# KiCad board main-board-rev1.kicad_pcb (continued)
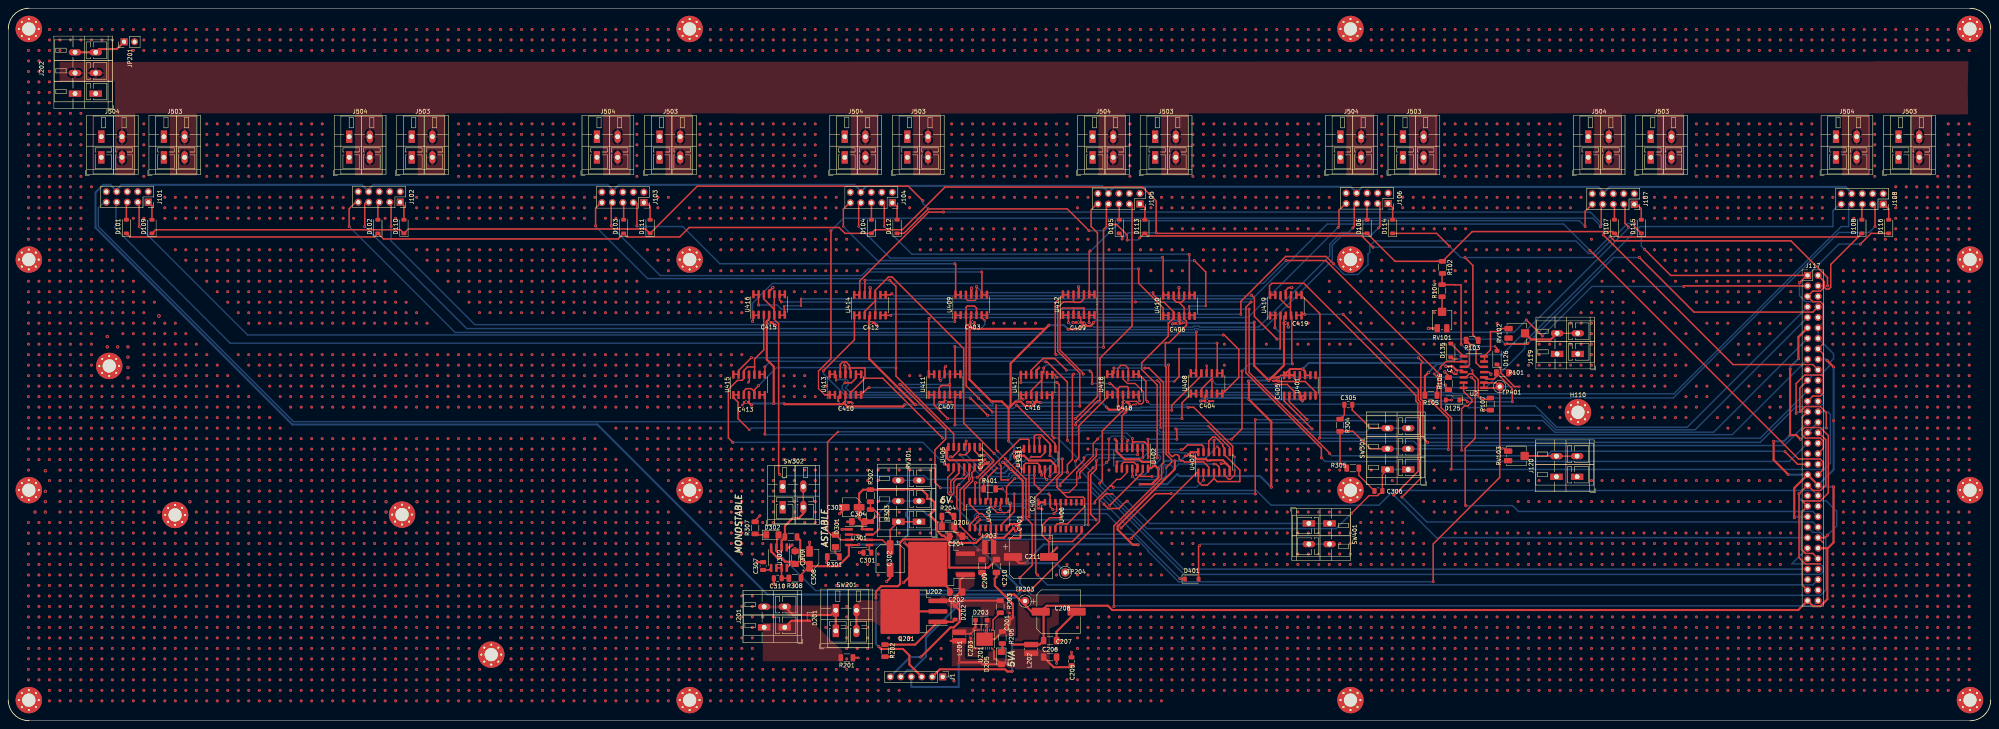
[diagram p0: board, top side]
## Routing (per net, layer and track width the routed paths; a pad name or vN(x,y) marks a point on that pad's centre or on a via; arc(x,y) is an arc through that point) (continued)
  Bottom w0.5: v4(262.74,96.45) 263.21,96.93 284.09,96.93 v3(284.58,96.43) 284.71,96.3 301.44,96.3 v4(301.66,96.53) ; v4(265.86,75.98) 264.81,77.03 v4(249.89,77.03) ; v3(245.64,53.33) 249.2,53.33 v3(249.4,53.53) ; v4(300.24,82.2) 300.42,82.38 v4(305.21,82.38) ; v4(180.01,76.48) 180.34,76.8 v4(185.34,76.8) v4(187.81,76.8) ; v4(273.57,42.58) 273.45,42.7 250.69,42.7 v3(246.14,38.15) 253.69,38.15 TP204.1 ; 242.71,60.9 242.11,60.9 241.19,59.98 239.16,59.98 237.4,61.74 v3(237.4,62.6) ; v4(210.08,29.71) 210.08,18.62 v4(210.74,17.96) ; v4(278.46,60.98) 278.46,61.27 280.12,62.93 v4(282.46,62.93) 283.79,62.93 v4(284.98,64.11) ; v4(238.01,77.33) 238.39,76.95 238.39,76.3 226.36,76.3 225.56,77.1 v4(225.54,77.1) 224.94,76.5 v4(219.66,76.5) v4(217.06,76.5) ; v4(305.81,56.53) 303.11,59.23 283.58,59.23 283.08,59.73 280.63,57.28 v4(274.04,57.28) ; v2(240.81,62.57) 240.83,62.55 241.79,62.55 242.66,63.43 242.66,64.33 243.51,65.18 243.54,65.18 ; 347.53,86.38 347.28,86.63 314.88,86.63 v2(313.41,85.15) ; 347.53,86.38 345.93,86.38 v2(343.88,84.33) ; 347.53,86.38 v2(348.08,85.83) ; v4(242.21,67.71) 243.56,66.36 v3(243.56,65.15) ; v4(313.34,77.43) 312.96,77.8 v4(300.39,77.8) 300.01,78.18 289.41,78.18 v4(288.66,77.43) ; v4(223.08,49.8) 222.58,49.8 221.5,50.88 217.9,50.88 217.37,50.36 217.37,49.61 217.9,49.08 217.9,45.11 215.44,42.65 v4(205.94,42.65) ; v4(251.96,95.78) 255.61,95.78 v4(256.59,94.8)
+12V: length 55
  Top w0.3: 235.58,23.23 235.59,23.22 U201.14
  Top w0.5: R203.2 230.54,29.08 D202.1 ; U202.1 230.46,34.04 230.46,31.15 228.33,29.02 Q201.3 228.05,29.02 D202.1 ; D202.1 230.36,26.71 230.36,23.98 228.96,22.59 228.14,22.59 220.98,15.43 v4(220.88,15.43)
  Bottom w0.5: v4(220.88,15.43) 218.36,15.43 J1.6
/Power Supply/5VA Unfiltered: length 50.7
  Top w0.3: U201.8 238.68,16.96 238.68,16.73
  Top w0.5: 238.68,16.73 238.68,14.93 239.18,14.93 D205.2 235.94,13.67 235.48,14.13 230.28,14.13 v4(230.26,14.14) L201.2 228.17,19.34 ; C206.1 253.13,12.96 256.94,12.96 C205.1
  Bottom w0.5: v4(230.26,14.14) 230.12,14 230.12,8.17 218.73,8.17 218.58,8.33 218.64,8.39 J1.4
GND: length 277
  Top w0.3: 236.61,21.95 236.61,19.97 U201.DAP 237.07,20.43 237.07,21.95 ; 251.65,43.6 251.96,43.28 C211.2 ; 248.94,83.88 248.94,83.22 ; 179.44,82.45 179.44,83.88 ; 227.33,64.83 227.18,64.83 v4(226.38,65.63) ; v4(236.78,22.93) 237.09,22.62 U201.11 U201.12 ; 295.05,62.1 294.92,62.23 v4(293.68,62.23) ; 243.25,24.96 241.89,23.6 241.89,22.32 v4(242.68,21.53) ; 234.05,96.23 233.9,96.38 233.9,95.69 v3(233.94,95.65) ; C402.1 250.08,51.42 v4(250.28,51.23) ; 290.34,63 290.11,63.23 287.8,63.23 ; 283.44,102.15 283.44,103.13 ; C401.1 243.44,46.36 v4(243.88,45.92) ; 270.81,77.18 270.95,77.32 273.17,77.32 273.79,76.7 274.44,76.7 274.86,77.13 274.86,79.63 272.84,81.65 270.98,81.65 269.94,82.7 269.94,83.88 ; 202.69,83.88 202.69,82.97
  Top w0.349: v3(357.18,75.13) 357.27,75.22 R107.1 ; U404.8 232.82,52.35 235.02,50.15 235.77,50.15 237.9,48.03 U404.13 ; v2(358.96,83.92) 358.52,84.37 357.43,84.37 ; 316.5,78.68 316.5,79.65 314,82.15 307.63,82.15 ; 226.7,83.85 226.7,85.51 v4(226.99,85.8) ; 190.51,41.7 190.5,41.7 v4(190.48,41.73) ; 290.73,77.38 291.71,77.38 v3(291.74,77.4) ; 178.21,77.15 178.21,76.92 v3(177.69,76.4) ; v3(290.14,85.98) 290.19,85.93 290.19,84.13 ; R101.1 v3(364.68,84.23) ; 309.84,96.38 309.84,95.45 v2(309.93,95.35) ; U406.8 259.88,45.6 257.66,43.38 251.87,43.38 250.27,44.98 250.27,47.29 252.14,49.15 254.8,49.15 U406.13 254.8,52.57 ; v2(257.83,96.42) 257.85,96.4 258.73,96.4 ; 179.44,82.45 179.44,82.15 v3(179.19,81.9) ; v2(283.46,104.85) 283.44,104.83 283.44,103.13 ; v2(310.76,104.85) 309.94,104.85 309.19,104.1 309.19,103.13 ; v2(347.81,84.45) 348.71,83.56 R106.1 ; v2(349.41,84.58) 350.09,83.91 350.68,83.91 ; R307.1 180.83,48.48 v4(181.98,49.63) ; 246.61,77 v4(246.74,77.13)
  Top w0.5: U202.2 222.2,37.9 v4(217.04,43.06) ; v3(255.06,19.4) C207.2 253.81,21.55 C208.2 ; v4(181.98,49.63) 182.01,49.63 182.04,49.65 ; R301.1 v4(198.18,38.33) ; R201.1 205.81,15.25 v3(205.84,15.23) ; v4(271.39,76.71) 270.94,77.15 C418.1 ; 247.54,77.13 v4(246.74,77.13) ; C302.2 213.51,34.56 v4(212.68,33.73) ; v4(267.99,68.15) 268.38,67.76 268.38,65.15 270.23,63.3 273.84,63.3 274.48,62.66 277.25,62.66 ; 193.96,43.28 193.98,43.26 v4(193.98,43.23) 194.01,43.23 194.01,43.23 C308.2 ; C303.2 202.41,51.25 201.29,50.13 ; v2(185.14,104.88) 184.19,103.93 184.19,103.13 184.19,104.2 ; C307.1 181.36,38.4 181.34,38.43 v4(181.28,38.43) 181.28,38.49 181.26,38.5 ; v4(281.88,96.07) 281.98,96.18 282.66,96.18 ; v3(202.38,86.21) 202.69,85.9 202.69,83.88 ; C211.2 251.96,39.95 v3(253.94,41.93) ; v3(236.36,34.43) 235.76,35.03 C209.2 ; C310.2 185.36,33.08 185.38,33.06 v4(185.38,33.03) 185.41,33.03 185.44,33 ; 189.74,42.55 189.78,42.59 v4(189.78,42.53) 189.71,42.53 189.14,41.95 U302.1 ; v2(259.14,105.03) 259.19,104.98 259.19,103.13 ; C407.1 228.27,77.15 v4(228.28,77.15) ; 201.29,50.13 201.28,50.12 v4(201.28,50.13) 201.29,50.13 ; U404.13 237.9,45.19 238.79,44.3 241.08,44.3 243.44,46.67 C401.1 ; 204.86,48.19 203.18,48.19 v3(203.11,48.13) ; C201.2 242.44,24.15 ; 242.44,24.15 242.44,23.37 R205.1 238.83,19.75 U201.DAP ; 242.44,24.15 243.25,24.96 243.25,28.3 238.86,32.68 v3(238.86,34.4) 239.26,34.8 C210.2 ; 184.63,96.43 184.91,96.43 185.44,95.9 ; R204.1 228.73,49.48 v4(227.38,50.83) ; v2(233.24,104.73) 233.19,104.68 233.19,103.13 ; 190.51,40.4 190.51,41.7 ; v3(213.91,15.53) 213.89,15.5 R202.2 ; 208.69,103.13 v2(208.69,104.83) ; v2(210.24,95.78) 209.64,96.38 209.38,96.38 ; C301.1 206.11,40.69 v4(206.08,40.73) 206.04,40.69 206.03,40.69 206.01,40.68 ; v4(227.18,45.53) 228.05,44.65 228.51,44.65 ; 236.48,63.2 236.33,63.05 227.84,63.05 227.33,63.56 227.33,66.08 227.63,66.38 ; 203.4,77.13 204.11,77.13 v3(204.39,76.85) ; RV101.3 343.85,95.02 v2(343.84,95) ; 228.56,31.15 225.06,34.65 U202.2 ; 253.5,60.93 253.5,61.9 252.4,63 247.12,63 245.94,64.18 244.33,64.18 v4(243.78,63.63) 243.54,63.87 C411.2 ; U202.2 218.48,35.13 v4(216.78,33.43) ; C206.2 v3(253.81,13.85) ; 295.75,60.43 295.75,61.4 294.08,63.07 291.02,63.07 290.95,63 290.34,63 290.01,63.33 287.8,63.33 287.1,64.03 C417.2 ; v3(249.59,85.48) 248.94,84.83 248.94,83.88 ; 201.79,46.35 201.8,46.35 201.86,46.35 v4(201.88,46.33) 201.9,46.35 U301.1 ; C205.2 v3(257.44,16.65) ; 307.63,82.15 307.45,82.33 306.36,82.33 v3(306.29,82.25)
  Bottom w0.5: v4(228.98,9.63) 227.98,10.63 J1.1
  vias: v1(4.89,162.29) v1(4.89,159.75) v1(4.89,157.21) v1(4.89,154.67) v1(4.89,152.13) v1(4.89,149.59) v1(4.89,147.05) v1(4.89,144.51) v1(4.89,141.97) v1(4.89,139.43) v1(4.89,136.89) v1(4.89,134.35) v1(4.89,131.81) v1(4.89,129.27) v1(4.89,126.73) v1(4.89,124.19) v1(4.89,121.65) v1(4.89,119.11) v1(4.89,116.57) v1(4.89,106.41) v1(4.89,103.87) v1(4.89,101.33) v1(4.89,98.79) v1(4.89,96.25) v1(4.89,93.71) v1(4.89,91.17) v1(4.89,88.63) v1(4.89,86.09) v1(4.89,83.55) v1(4.89,81.01) v1(4.89,78.47) v1(4.89,75.93) v1(4.89,73.39) v1(4.89,70.85) v1(4.89,68.31) v1(4.89,65.77) v1(4.89,63.23) v1(4.89,60.69) v1(4.89,47.99) v1(4.89,45.45) v1(4.89,42.91) v1(4.89,40.37) v1(4.89,37.83) v1(4.89,35.29) v1(4.89,32.75) v1(4.89,30.21) v1(4.89,27.67) v1(4.89,25.13) v1(4.89,22.59) v1(4.89,20.05) v1(4.89,17.51) v1(4.89,14.97) v1(4.89,12.43) v1(4.89,9.89) v1(7.43,162.29) v1(7.43,159.75) v1(7.43,157.21) v1(7.43,154.67) v1(7.43,152.13) v1(7.43,149.59) v1(7.43,147.05) v1(7.43,144.51) v1(7.43,141.97) v1(7.43,139.43) v1(7.43,136.89) v1(7.43,134.35) v1(7.43,131.81) v1(7.43,129.27) v1(7.43,126.73) v1(7.43,124.19) v1(7.43,121.65) v1(7.43,119.11) v1(7.43,116.57) v1(7.43,106.41) v1(7.43,103.87) v1(7.43,101.33) v1(7.43,98.79) v1(7.43,96.25) v1(7.43,93.71) v1(7.43,91.17) v1(7.43,88.63) v1(7.43,86.09) v1(7.43,83.55) v1(7.43,81.01) v1(7.43,78.47) v1(7.43,75.93) v1(7.43,73.39) v1(7.43,70.85) v1(7.43,68.31) v1(7.43,65.77) v1(7.43,63.23) v1(7.43,47.99) v1(7.43,45.45) v1(7.43,42.91) v1(7.43,40.37) v1(7.43,37.83) v1(7.43,35.29) v1(7.43,32.75) v1(7.43,30.21) v1(7.43,27.67) v1(7.43,25.13) v1(7.43,22.59) v1(7.43,20.05) v1(7.43,17.51) v1(7.43,14.97) v1(7.43,12.43) v1(7.43,9.89) v1(9.97,167.37) v1(9.97,164.83) v1(9.97,162.29) v1(9.97,159.75) v1(9.97,157.21) v1(9.97,154.67) v1(9.97,152.13) v1(9.97,149.59) v1(9.97,147.05) v1(9.97,144.51) v1(9.97,141.97) v1(9.97,139.43) v1(9.97,136.89) v1(9.97,134.35) v1(9.97,131.81) v1(9.97,129.27) v1(9.97,126.73) v1(9.97,124.19) v1(9.97,121.65) v1(9.97,119.11) v1(9.97,116.57) v1(9.97,114.03) v1(9.97,111.49) v1(9.97,108.95) v1(9.97,106.41) v1(9.97,103.87) v1(9.97,101.33) v1(9.97,98.79) v1(9.97,96.25) v1(9.97,93.71) v1(9.97,91.17) v1(9.97,88.63) v1(9.97,86.09) v1(9.97,83.55) v1(9.97,81.01) v1(9.97,78.47) v1(9.97,75.93) v1(9.97,73.39) v1(9.97,70.85) v1(9.97,68.31) v1(9.97,65.77) v1(9.97,63.23) v1(9.97,58.15) v1(9.97,47.99) v1(9.97,45.45) v1(9.97,42.91) v1(9.97,40.37) v1(9.97,37.83) v1(9.97,35.29) v1(9.97,32.75) v1(9.97,30.21) v1(9.97,27.67) v1(9.97,25.13) v1(9.97,22.59) v1(9.97,20.05) v1(9.97,17.51) v1(9.97,14.97) v1(9.97,12.43) v1(9.97,9.89) v1(9.97,7.35) v1(9.97,4.81) v1(12.51,167.37) v1(12.51,164.83) v1(12.51,162.29) v1(12.51,147.05) v1(12.51,144.51) v1(12.51,141.97) v1(12.51,139.43) v1(12.51,136.89) v1(12.51,134.35) v1(12.51,131.81) v1(12.51,129.27) v1(12.51,126.73) v1(12.51,124.19) v1(12.51,121.65) v1(12.51,119.11) v1(12.51,116.57) v1(12.51,114.03) v1(12.51,111.49) v1(12.51,108.95) v1(12.51,106.41) v1(12.51,103.87) v1(12.51,101.33) v1(12.51,98.79) v1(12.51,96.25) v1(12.51,93.71) v1(12.51,91.17) v1(12.51,88.63) v1(12.51,86.09) v1(12.51,83.55) v1(12.51,81.01) v1(12.51,78.47) v1(12.51,75.93) v1(12.51,73.39) v1(12.51,70.85) v1(12.51,68.31) v1(12.51,65.77) v1(12.51,63.23) v1(12.51,60.69) v1(12.51,58.15) v1(12.51,55.61) v1(12.51,53.07) v1(12.51,50.53) v1(12.51,47.99) v1(12.51,45.45) v1(12.51,42.91) v1(12.51,40.37) v1(12.51,37.83) v1(12.51,35.29) v1(12.51,32.75) v1(12.51,30.21) v1(12.51,27.67) v1(12.51,25.13) v1(12.51,22.59) v1(12.51,20.05) v1(12.51,17.51) v1(12.51,14.97) v1(12.51,12.43) v1(12.51,9.89) v1(12.51,7.35) v1(12.51,4.81) v1(15.05,167.37) v1(15.05,164.83) v1(15.05,147.05) v1(15.05,144.51) v1(15.05,141.97) v1(15.05,139.43) v1(15.05,136.89) v1(15.05,134.35) v1(15.05,131.81) v1(15.05,129.27) v1(15.05,126.73) v1(15.05,124.19) v1(15.05,121.65) v1(15.05,119.11) v1(15.05,116.57) v1(15.05,114.03) v1(15.05,111.49) v1(15.05,108.95) v1(15.05,106.41) v1(15.05,103.87) v1(15.05,101.33) v1(15.05,98.79) v1(15.05,96.25) v1(15.05,93.71) v1(15.05,91.17) v1(15.05,88.63) v1(15.05,86.09) v1(15.05,83.55) v1(15.05,81.01) v1(15.05,78.47) v1(15.05,75.93) v1(15.05,73.39) v1(15.05,70.85) v1(15.05,68.31) v1(15.05,65.77) v1(15.05,63.23) v1(15.05,60.69) v1(15.05,58.15) v1(15.05,55.61) v1(15.05,53.07) v1(15.05,50.53) v1(15.05,47.99) v1(15.05,45.45) v1(15.05,42.91) v1(15.05,40.37) v1(15.05,37.83) v1(15.05,35.29) v1(15.05,32.75) v1(15.05,30.21) v1(15.05,27.67) v1(15.05,25.13) v1(15.05,22.59) v1(15.05,20.05) v1(15.05,17.51) v1(15.05,14.97) v1(15.05,12.43) v1(15.05,9.89) v1(15.05,7.35) v1(15.05,4.81) v1(17.59,167.37) v1(17.59,164.83) v1(17.59,147.05) v1(17.59,144.51) v1(17.59,141.97) v1(17.59,139.43) v1(17.59,136.89) v1(17.59,134.35) v1(17.59,131.81) v1(17.59,129.27) v1(17.59,126.73) v1(17.59,124.19) v1(17.59,121.65) v1(17.59,119.11) v1(17.59,116.57) v1(17.59,114.03) v1(17.59,111.49) v1(17.59,108.95) v1(17.59,106.41) v1(17.59,103.87) v1(17.59,101.33) v1(17.59,98.79) v1(17.59,96.25) v1(17.59,93.71) v1(17.59,91.17) v1(17.59,88.63) v1(17.59,86.09) v1(17.59,83.55) v1(17.59,81.01) v1(17.59,78.47) v1(17.59,75.93) v1(17.59,73.39) v1(17.59,70.85) v1(17.59,68.31) v1(17.59,65.77) v1(17.59,63.23) v1(17.59,60.69) v1(17.59,58.15) v1(17.59,55.61) v1(17.59,53.07) v1(17.59,50.53) v1(17.59,47.99) v1(17.59,45.45) v1(17.59,42.91) v1(17.59,40.37) v1(17.59,37.83) v1(17.59,35.29) v1(17.59,32.75) v1(17.59,30.21) v1(17.59,27.67) v1(17.59,25.13) v1(17.59,22.59) v1(17.59,20.05) v1(17.59,17.51) v1(17.59,14.97) v1(17.59,12.43) v1(17.59,9.89) v1(17.59,7.35) v1(17.59,4.81) v1(20.13,167.37) v1(20.13,164.83) v1(20.13,129.27) v1(20.13,116.57) v1(20.13,114.03) v1(20.13,111.49) v1(20.13,108.95) v1(20.13,106.41) v1(20.13,103.87) v1(20.13,101.33) v1(20.13,98.79) v1(20.13,96.25) v1(20.13,93.71) v1(20.13,91.17) v1(20.13,88.63) v1(20.13,86.09) v1(20.13,83.55) v1(20.13,81.01) v1(20.13,78.47) v1(20.13,75.93) v1(20.13,73.39) v1(20.13,70.85) v1(20.13,68.31) v1(20.13,65.77) v1(20.13,63.23) v1(20.13,60.69) v1(20.13,58.15) v1(20.13,55.61) v1(20.13,53.07) v1(20.13,50.53) v1(20.13,47.99) v1(20.13,45.45) v1(20.13,42.91) v1(20.13,40.37) v1(20.13,37.83) v1(20.13,35.29) v1(20.13,32.75) v1(20.13,30.21) v1(20.13,27.67) v1(20.13,25.13) v1(20.13,22.59) v1(20.13,20.05) v1(20.13,17.51) v1(20.13,14.97) v1(20.13,12.43) v1(20.13,9.89) v1(20.13,7.35) v1(20.13,4.81) v1(22.67,167.37) v1(22.67,164.83) v1(22.67,114.03) v1(22.67,111.49) v1(22.67,108.95) v1(22.67,106.41) v1(22.67,103.87) v1(22.67,101.33) v1(22.67,98.79) v1(22.67,96.25) v1(22.67,81.01) v1(22.67,78.47) v1(22.67,75.93) v1(22.67,73.39) v1(22.67,70.85) v1(22.67,68.31) v1(22.67,65.77) v1(22.67,63.23) v1(22.67,60.69) v1(22.67,58.15) v1(22.67,55.61) v1(22.67,53.07) v1(22.67,50.53) v1(22.67,47.99) v1(22.67,45.45) v1(22.67,42.91) v1(22.67,40.37) v1(22.67,37.83) v1(22.67,35.29) v1(22.67,32.75) v1(22.67,30.21) v1(22.67,27.67) v1(22.67,25.13) v1(22.67,22.59) v1(22.67,20.05) v1(22.67,17.51) v1(22.67,14.97) v1(22.67,12.43) v1(22.67,9.89) v1(22.67,7.35) v1(22.67,4.81) v1(25.21,167.37) v1(25.21,164.83) v1(25.21,111.49) v1(25.21,108.95) v1(25.21,106.41) v1(25.21,103.87) v1(25.21,101.33) v1(25.21,98.79) v1(25.21,96.25) v1(25.21,81.01) v1(25.21,78.47) v1(25.21,75.93) v1(25.21,73.39) v1(25.21,70.85) v1(25.21,68.31) v1(25.21,65.77) v1(25.21,63.23) v1(25.21,60.69) v1(25.21,58.15) v1(25.21,55.61) v1(25.21,53.07) v1(25.21,50.53) v1(25.21,47.99) v1(25.21,45.45) v1(25.21,42.91) v1(25.21,40.37) v1(25.21,37.83) v1(25.21,35.29) v1(25.21,32.75) v1(25.21,30.21) v1(25.21,27.67) v1(25.21,25.13) v1(25.21,22.59) v1(25.21,20.05) v1(25.21,17.51) v1(25.21,14.97) v1(25.21,12.43) v1(25.21,9.89) v1(25.21,7.35) v1(25.21,4.81) v1(27.75,167.37) v1(27.75,108.95) v1(27.75,106.41) v1(27.75,103.87) v1(27.75,101.33) v1(27.75,98.79) v1(27.75,96.25) v1(27.75,93.71) v1(27.75,81.01) v1(27.75,78.47) v1(27.75,75.93) v1(27.75,73.39) v1(27.75,70.85) v1(27.75,68.31) v1(27.75,65.77) v1(27.75,63.23) v1(27.75,60.69) v1(27.75,58.15) v1(27.75,55.61) v1(27.75,53.07) v1(27.75,50.53) v1(27.75,47.99) v1(27.75,45.45) v1(27.75,42.91) v1(27.75,40.37) v1(27.75,37.83) v1(27.75,35.29) v1(27.75,32.75) v1(27.75,30.21) v1(27.75,27.67) v1(27.75,25.13) v1(27.75,22.59) v1(27.75,20.05) v1(27.75,17.51) v1(27.75,14.97) v1(27.75,12.43) v1(27.75,9.89) v1(27.75,7.35) v1(27.75,4.81) v1(30.29,167.37) v1(30.29,162.29) v1(30.29,121.65) v1(30.29,106.41) v1(30.29,103.87) v1(30.29,101.33) v1(30.29,98.79) v1(30.29,96.25) v1(30.29,93.71) v1(30.29,81.01) v1(30.29,78.47) v1(30.29,75.93) v1(30.29,73.39) v1(30.29,70.85) v1(30.29,68.31) v1(30.29,65.77) v1(30.29,63.23) v1(30.29,60.69) v1(30.29,58.15) v1(30.29,55.61) v1(30.29,53.07) v1(30.29,50.53) v1(30.29,47.99) v1(30.29,45.45) v1(30.29,42.91) v1(30.29,40.37) v1(30.29,37.83) v1(30.29,35.29) v1(30.29,32.75) v1(30.29,30.21) v1(30.29,27.67) v1(30.29,25.13) v1(30.29,22.59) v1(30.29,20.05) v1(30.29,17.51) v1(30.29,14.97) v1(30.29,12.43) v1(30.29,9.89) v1(30.29,7.35) v1(30.29,4.81) v1(32.83,167.37) v1(32.83,164.83) v1(32.83,162.29) v1(32.83,144.51) v1(32.83,141.97) v1(32.83,139.43) v1(32.83,136.89) v1(32.83,134.35) v1(32.83,131.81) v1(32.83,121.65) v1(32.83,103.87) v1(32.83,101.33) v1(32.83,98.79) v1(32.83,96.25) v1(32.83,93.71) v1(32.83,91.17) v1(32.83,88.63) v1(32.83,86.09) v1(32.83,83.55) v1(32.83,81.01) v1(32.83,78.47) v1(32.83,75.93) v1(32.83,73.39) v1(32.83,70.85) v1(32.83,68.31) v1(32.83,65.77) v1(32.83,63.23) v1(32.83,60.69) v1(32.83,58.15) v1(32.83,55.61) v1(32.83,53.07) v1(32.83,50.53) v1(32.83,47.99) v1(32.83,45.45) v1(32.83,42.91) v1(32.83,40.37) v1(32.83,37.83) v1(32.83,35.29) v1(32.83,32.75) v1(32.83,30.21) v1(32.83,27.67) v1(32.83,25.13) v1(32.83,22.59) v1(32.83,20.05) v1(32.83,17.51) v1(32.83,14.97) v1(32.83,12.43) v1(32.83,9.89) v1(32.83,7.35) v1(32.83,4.81) v1(35.37,167.37) v1(35.37,164.83) v1(35.37,162.29) v1(35.37,101.33) v1(35.37,96.25) v1(35.37,93.71) v1(35.37,91.17) v1(35.37,88.63) v1(35.37,86.09) v1(35.37,83.55) v1(35.37,81.01) v1(35.37,78.47) v1(35.37,75.93) v1(35.37,73.39) v1(35.37,70.85) v1(35.37,68.31) v1(35.37,65.77) v1(35.37,63.23) v1(35.37,60.69) v1(35.37,58.15) v1(35.37,55.61) v1(35.37,53.07) v1(35.37,47.99) v1(35.37,45.45) v1(35.37,42.91) v1(35.37,40.37) v1(35.37,37.83) v1(35.37,35.29) v1(35.37,32.75) v1(35.37,30.21) v1(35.37,27.67) v1(35.37,25.13) v1(35.37,22.59) v1(35.37,20.05) v1(35.37,17.51) v1(35.37,14.97) v1(35.37,12.43) v1(35.37,9.89) v1(35.37,7.35) v1(35.37,4.81) v1(37.91,167.37) v1(37.91,164.83) v1(37.91,162.29) v1(37.91,126.73) v1(37.91,124.19) v1(37.91,121.65) v1(37.91,96.25) v1(37.91,93.71) v1(37.91,91.17) v1(37.91,88.63) v1(37.91,86.09) v1(37.91,83.55) v1(37.91,81.01) v1(37.91,78.47) v1(37.91,75.93) v1(37.91,73.39) v1(37.91,70.85) v1(37.91,68.31) v1(37.91,65.77) v1(37.91,63.23) v1(37.91,60.69) v1(37.91,58.15) v1(37.91,55.61) v1(37.91,45.45) v1(37.91,42.91) v1(37.91,40.37) v1(37.91,37.83) v1(37.91,35.29) v1(37.91,32.75) v1(37.91,30.21) v1(37.91,27.67) v1(37.91,25.13) v1(37.91,22.59) v1(37.91,20.05) v1(37.91,17.51) v1(37.91,14.97) v1(37.91,12.43) v1(37.91,9.89) v1(37.91,7.35) v1(37.91,4.81) v1(40.45,167.37) v1(40.45,164.83) v1(40.45,162.29) v1(40.45,126.73) v1(40.45,124.19) v1(40.45,121.65) v1(40.45,114.03) v1(40.45,96.25) v1(40.45,93.71) v1(40.45,91.17) v1(40.45,88.63) v1(40.45,86.09) v1(40.45,83.55) v1(40.45,81.01) v1(40.45,78.47) v1(40.45,75.93) v1(40.45,73.39) v1(40.45,70.85) v1(40.45,68.31) v1(40.45,65.77) v1(40.45,63.23) v1(40.45,60.69) v1(40.45,58.15) v1(40.45,55.61) v1(40.45,45.45) v1(40.45,42.91) v1(40.45,40.37) v1(40.45,37.83) v1(40.45,35.29) v1(40.45,32.75) v1(40.45,30.21) v1(40.45,27.67) v1(40.45,25.13) v1(40.45,22.59) v1(40.45,20.05) v1(40.45,17.51) v1(40.45,14.97) v1(40.45,12.43) v1(40.45,9.89) v1(40.45,7.35) v1(40.45,4.81) v1(42.99,167.37) v1(42.99,164.83) v1(42.99,162.29) v1(42.99,126.73) v1(42.99,124.19) v1(42.99,121.65) v1(42.99,114.03) v1(42.99,111.49) v1(42.99,93.71) v1(42.99,91.17) v1(42.99,88.63) v1(42.99,86.09) v1(42.99,83.55) v1(42.99,81.01) v1(42.99,78.47) v1(42.99,75.93) v1(42.99,73.39) v1(42.99,70.85) v1(42.99,68.31) v1(42.99,65.77) v1(42.99,63.23) v1(42.99,60.69) v1(42.99,58.15) v1(42.99,55.61) v1(42.99,45.45) v1(42.99,42.91) v1(42.99,40.37) v1(42.99,37.83) v1(42.99,35.29) v1(42.99,32.75) v1(42.99,30.21) v1(42.99,27.67) v1(42.99,25.13) v1(42.99,22.59) v1(42.99,20.05) v1(42.99,17.51) v1(42.99,14.97) v1(42.99,12.43) v1(42.99,9.89) v1(42.99,7.35) v1(42.99,4.81) v1(45.53,167.37) v1(45.53,164.83) v1(45.53,162.29) v1(45.53,126.73) v1(45.53,124.19) v1(45.53,121.65) v1(45.53,114.03) v1(45.53,111.49) v1(45.53,108.95) v1(45.53,91.17) v1(45.53,88.63) v1(45.53,86.09) v1(45.53,83.55) v1(45.53,81.01) v1(45.53,78.47) v1(45.53,75.93) v1(45.53,73.39) v1(45.53,70.85) v1(45.53,68.31) v1(45.53,65.77) v1(45.53,63.23) v1(45.53,60.69) v1(45.53,58.15) v1(45.53,55.61) v1(45.53,50.53) v1(45.53,47.99) v1(45.53,45.45) v1(45.53,42.91) v1(45.53,40.37) v1(45.53,37.83) v1(45.53,35.29) v1(45.53,32.75) v1(45.53,30.21) v1(45.53,27.67) v1(45.53,25.13) v1(45.53,22.59) v1(45.53,20.05) v1(45.53,17.51) v1(45.53,14.97) v1(45.53,12.43) v1(45.53,9.89) v1(45.53,7.35) v1(45.53,4.81) v1(48.07,167.37) v1(48.07,164.83) v1(48.07,162.29) v1(48.07,144.51) v1(48.07,141.97) v1(48.07,139.43) v1(48.07,136.89) v1(48.07,134.35) v1(48.07,131.81) v1(48.07,126.73) v1(48.07,124.19) v1(48.07,121.65) v1(48.07,114.03) v1(48.07,111.49) v1(48.07,108.95) v1(48.07,106.41) v1(48.07,88.63) v1(48.07,86.09) v1(48.07,83.55) v1(48.07,81.01) v1(48.07,78.47) v1(48.07,75.93) v1(48.07,73.39) v1(48.07,70.85) v1(48.07,68.31) v1(48.07,65.77) v1(48.07,63.23) v1(48.07,60.69) v1(48.07,58.15) v1(48.07,55.61) v1(48.07,53.07) v1(48.07,50.53) v1(48.07,47.99) v1(48.07,45.45) v1(48.07,42.91) v1(48.07,40.37) v1(48.07,37.83) v1(48.07,35.29) v1(48.07,32.75) v1(48.07,30.21) v1(48.07,27.67) v1(48.07,25.13) v1(48.07,22.59) v1(48.07,20.05) v1(48.07,17.51) v1(48.07,14.97) v1(48.07,12.43) v1(48.07,9.89) v1(48.07,7.35) v1(48.07,4.81) v1(50.61,167.37) v1(50.61,164.83) v1(50.61,162.29) v1(50.61,144.51) v1(50.61,141.97) v1(50.61,139.43) v1(50.61,136.89) v1(50.61,134.35) v1(50.61,131.81) v1(50.61,126.73) v1(50.61,124.19) v1(50.61,121.65) v1(50.61,114.03) v1(50.61,111.49) v1(50.61,108.95) v1(50.61,106.41) v1(50.61,103.87) v1(50.61,86.09) v1(50.61,83.55) v1(50.61,81.01) v1(50.61,78.47) v1(50.61,75.93) v1(50.61,73.39) v1(50.61,70.85) v1(50.61,68.31) v1(50.61,65.77) v1(50.61,63.23) v1(50.61,60.69) v1(50.61,58.15) v1(50.61,55.61) v1(50.61,53.07) v1(50.61,50.53) v1(50.61,47.99) v1(50.61,45.45) v1(50.61,42.91) v1(50.61,40.37) v1(50.61,37.83) v1(50.61,35.29) v1(50.61,32.75) v1(50.61,30.21) v1(50.61,27.67) v1(50.61,25.13) v1(50.61,22.59) v1(50.61,20.05) v1(50.61,17.51) v1(50.61,14.97) v1(50.61,12.43) v1(50.61,9.89) v1(50.61,7.35) v1(50.61,4.81) v1(53.15,167.37) v1(53.15,164.83) v1(53.15,162.29) v1(53.15,144.51) v1(53.15,141.97) v1(53.15,139.43) v1(53.15,136.89) v1(53.15,134.35) v1(53.15,131.81) v1(53.15,126.73) v1(53.15,124.19) v1(53.15,121.65) v1(53.15,114.03) v1(53.15,111.49) v1(53.15,108.95) v1(53.15,106.41) v1(53.15,103.87) v1(53.15,101.33) v1(53.15,83.55) v1(53.15,81.01) v1(53.15,78.47) v1(53.15,75.93) v1(53.15,73.39) v1(53.15,70.85) v1(53.15,68.31) v1(53.15,65.77) v1(53.15,63.23) v1(53.15,60.69) v1(53.15,58.15) v1(53.15,55.61) v1(53.15,53.07) v1(53.15,50.53) v1(53.15,47.99) v1(53.15,45.45) v1(53.15,42.91) v1(53.15,40.37) v1(53.15,37.83) v1(53.15,35.29) v1(53.15,32.75) v1(53.15,30.21) v1(53.15,27.67) v1(53.15,25.13) v1(53.15,22.59) v1(53.15,20.05) v1(53.15,17.51) v1(53.15,14.97) v1(53.15,12.43) v1(53.15,9.89) v1(53.15,7.35) v1(53.15,4.81) v1(55.69,167.37) v1(55.69,164.83) v1(55.69,162.29) v1(55.69,144.51) v1(55.69,141.97) v1(55.69,139.43) v1(55.69,136.89) v1(55.69,134.35) v1(55.69,131.81) v1(55.69,126.73) v1(55.69,124.19) v1(55.69,121.65) v1(55.69,114.03) v1(55.69,111.49) v1(55.69,108.95) v1(55.69,106.41) v1(55.69,103.87) v1(55.69,101.33) v1(55.69,98.79) v1(55.69,88.63) v1(55.69,81.01) v1(55.69,78.47) v1(55.69,75.93) v1(55.69,73.39) v1(55.69,70.85) v1(55.69,68.31) v1(55.69,65.77) v1(55.69,63.23) v1(55.69,60.69) v1(55.69,58.15) v1(55.69,55.61) v1(55.69,53.07) v1(55.69,50.53) v1(55.69,47.99) v1(55.69,45.45) v1(55.69,42.91) v1(55.69,40.37) v1(55.69,37.83) v1(55.69,35.29) v1(55.69,32.75) v1(55.69,30.21) v1(55.69,27.67) v1(55.69,25.13) v1(55.69,22.59) v1(55.69,20.05) v1(55.69,17.51) v1(55.69,14.97) v1(55.69,12.43) v1(55.69,9.89) v1(55.69,7.35) v1(55.69,4.81) v1(58.23,167.37) v1(58.23,164.83) v1(58.23,162.29) v1(58.23,144.51) v1(58.23,141.97) v1(58.23,139.43) v1(58.23,136.89) v1(58.23,134.35) v1(58.23,131.81) v1(58.23,126.73) v1(58.23,124.19) v1(58.23,121.65) v1(58.23,114.03) v1(58.23,111.49) v1(58.23,108.95) v1(58.23,106.41) v1(58.23,103.87) v1(58.23,101.33) v1(58.23,98.79) v1(58.23,96.25) v1(58.23,88.63) v1(58.23,86.09) v1(58.23,78.47) v1(58.23,75.93) v1(58.23,73.39) v1(58.23,70.85) v1(58.23,68.31) v1(58.23,65.77) v1(58.23,63.23) v1(58.23,60.69) v1(58.23,58.15) v1(58.23,55.61) v1(58.23,53.07) v1(58.23,50.53) v1(58.23,47.99) v1(58.23,45.45) v1(58.23,42.91) v1(58.23,40.37) v1(58.23,37.83) v1(58.23,35.29) v1(58.23,32.75) v1(58.23,30.21) v1(58.23,27.67) v1(58.23,25.13) v1(58.23,22.59) v1(58.23,20.05) v1(58.23,17.51) v1(58.23,14.97) v1(58.23,12.43) v1(58.23,9.89) v1(58.23,7.35) v1(58.23,4.81) v1(60.77,167.37) v1(60.77,164.83) v1(60.77,162.29) v1(60.77,144.51) v1(60.77,141.97) v1(60.77,139.43) v1(60.77,136.89) v1(60.77,134.35) v1(60.77,131.81) v1(60.77,126.73) v1(60.77,124.19) v1(60.77,121.65) v1(60.77,114.03) v1(60.77,111.49) v1(60.77,108.95) v1(60.77,106.41) v1(60.77,103.87) v1(60.77,101.33) v1(60.77,98.79) v1(60.77,96.25) v1(60.77,88.63) v1(60.77,86.09) v1(60.77,83.55) v1(60.77,75.93) v1(60.77,73.39) v1(60.77,70.85) v1(60.77,68.31) v1(60.77,65.77) v1(60.77,63.23) v1(60.77,60.69) v1(60.77,58.15) v1(60.77,55.61) v1(60.77,53.07) v1(60.77,50.53) v1(60.77,47.99) v1(60.77,45.45) v1(60.77,42.91) v1(60.77,40.37) v1(60.77,37.83) v1(60.77,35.29) v1(60.77,32.75) v1(60.77,30.21) v1(60.77,27.67) v1(60.77,25.13) v1(60.77,22.59) v1(60.77,20.05) v1(60.77,17.51) v1(60.77,14.97) v1(60.77,12.43) v1(60.77,9.89) v1(60.77,7.35) v1(60.77,4.81) v1(63.31,167.37) v1(63.31,164.83) v1(63.31,162.29) v1(63.31,144.51) v1(63.31,141.97) v1(63.31,139.43) v1(63.31,136.89) v1(63.31,134.35) v1(63.31,131.81) v1(63.31,126.73) v1(63.31,124.19) v1(63.31,121.65) v1(63.31,114.03) v1(63.31,111.49) v1(63.31,108.95) v1(63.31,106.41) v1(63.31,103.87) v1(63.31,101.33) v1(63.31,98.79) v1(63.31,96.25) v1(63.31,88.63) v1(63.31,86.09) v1(63.31,83.55) v1(63.31,81.01) v1(63.31,73.39) v1(63.31,70.85) v1(63.31,68.31) v1(63.31,65.77) v1(63.31,63.23) v1(63.31,60.69) v1(63.31,58.15) v1(63.31,55.61) v1(63.31,53.07) v1(63.31,50.53) v1(63.31,47.99) v1(63.31,45.45) v1(63.31,42.91) v1(63.31,40.37) v1(63.31,37.83) v1(63.31,35.29) v1(63.31,32.75) v1(63.31,30.21) v1(63.31,27.67) v1(63.31,25.13) v1(63.31,22.59) v1(63.31,20.05) v1(63.31,17.51) v1(63.31,14.97) v1(63.31,12.43) v1(63.31,9.89) v1(63.31,7.35) v1(63.31,4.81) v1(65.85,167.37) v1(65.85,164.83) v1(65.85,162.29) v1(65.85,144.51) v1(65.85,141.97) v1(65.85,139.43) v1(65.85,136.89) v1(65.85,134.35) v1(65.85,131.81) v1(65.85,126.73) v1(65.85,124.19) v1(65.85,121.65) v1(65.85,114.03) v1(65.85,111.49) v1(65.85,108.95) v1(65.85,106.41) v1(65.85,103.87) v1(65.85,101.33) v1(65.85,98.79) v1(65.85,96.25) v1(65.85,88.63) v1(65.85,86.09) v1(65.85,83.55) v1(65.85,81.01) v1(65.85,78.47) v1(65.85,70.85) v1(65.85,68.31) v1(65.85,65.77) v1(65.85,63.23) v1(65.85,60.69) v1(65.85,58.15) v1(65.85,55.61) v1(65.85,53.07) v1(65.85,50.53) v1(65.85,47.99) v1(65.85,45.45) v1(65.85,42.91) v1(65.85,40.37) v1(65.85,37.83) v1(65.85,35.29) v1(65.85,32.75) v1(65.85,30.21) v1(65.85,27.67) v1(65.85,25.13) v1(65.85,22.59) v1(65.85,20.05) v1(65.85,17.51) v1(65.85,14.97) v1(65.85,12.43) v1(65.85,9.89) v1(65.85,7.35) v1(65.85,4.81) v1(68.39,167.37) v1(68.39,164.83) v1(68.39,162.29) v1(68.39,144.51) v1(68.39,141.97) v1(68.39,139.43) v1(68.39,136.89) v1(68.39,134.35) v1(68.39,131.81) v1(68.39,126.73) v1(68.39,124.19) v1(68.39,121.65) v1(68.39,114.03) v1(68.39,111.49) v1(68.39,108.95) v1(68.39,106.41) v1(68.39,103.87) v1(68.39,101.33) v1(68.39,98.79) v1(68.39,96.25) v1(68.39,88.63) v1(68.39,86.09) v1(68.39,83.55)